# Altium PCB POWER_SUPPLY_60V_60A.PcbDoc (part 1 of 2)
Units mm, origin at the board's own origin, x right, y up, seen from the top; angles counter-clockwise.
Board outline 425 x 150.02 mm, 2 copper layers (Top Layer, Bottom Layer); 166 components, 67 nets, 401 pads, 307 vias.
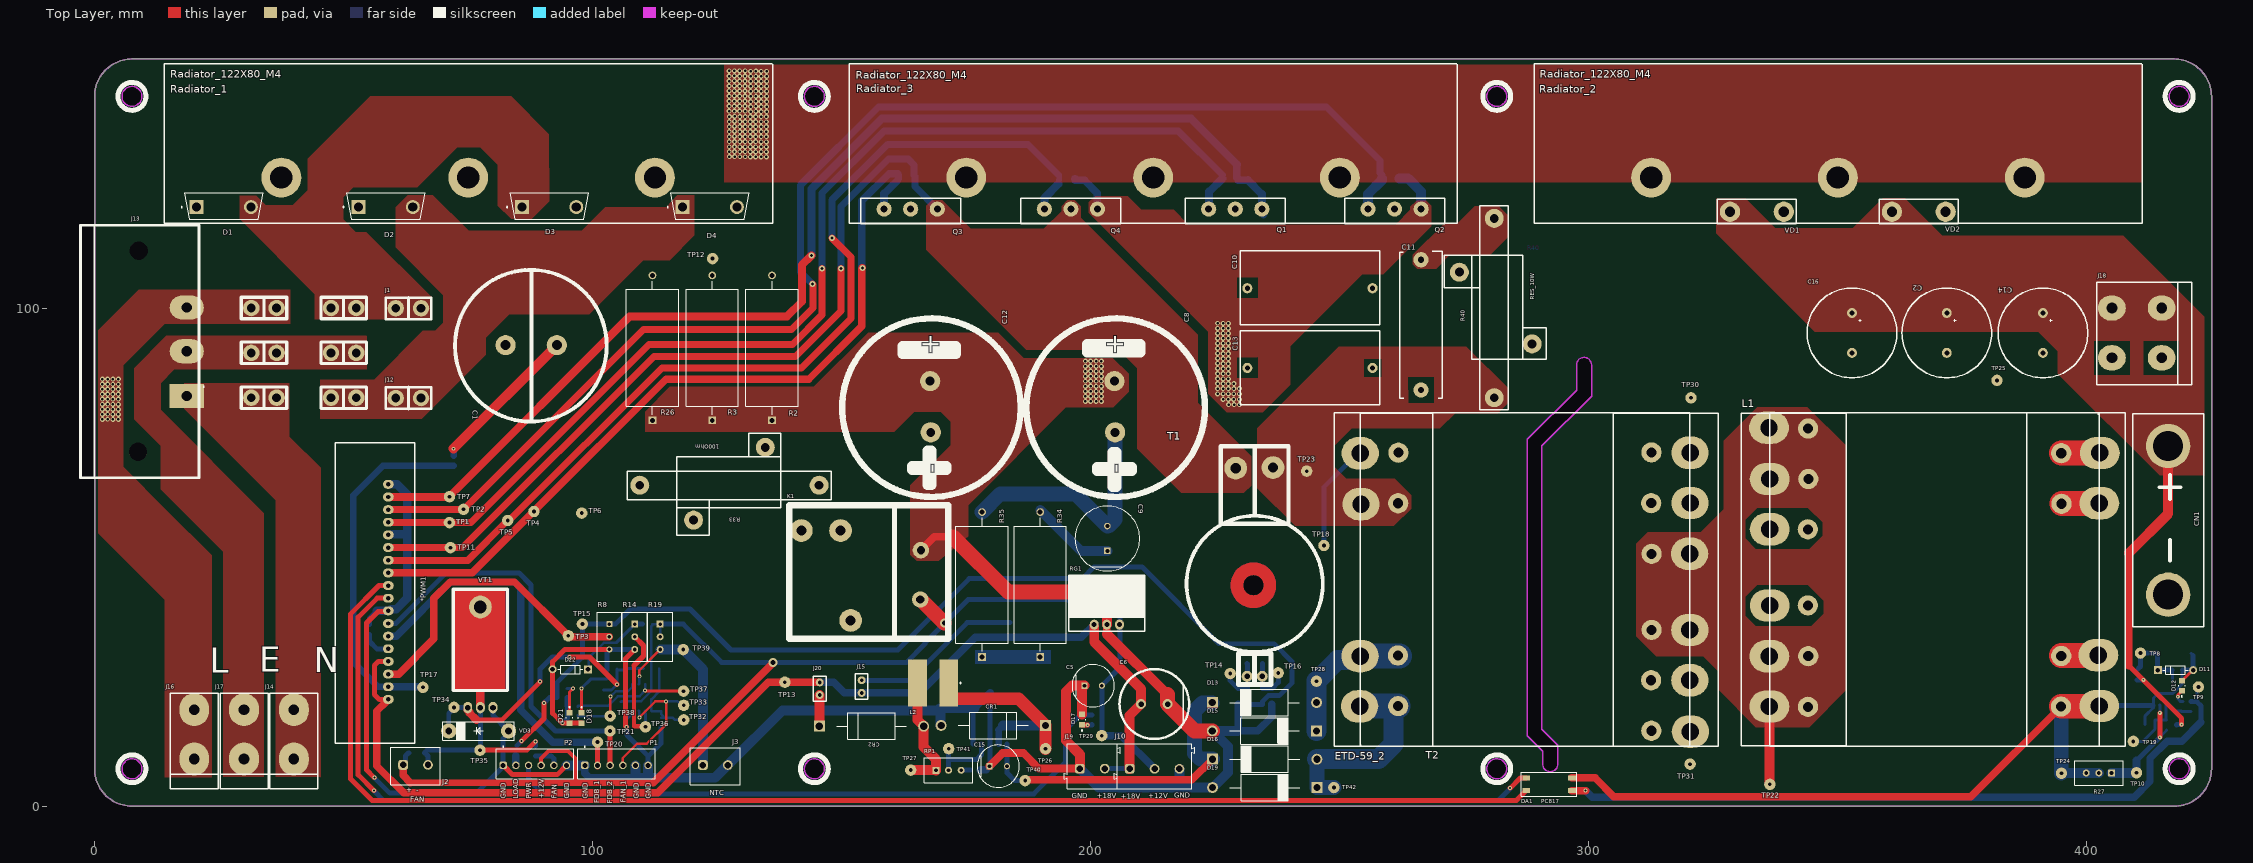
[diagram p0: Top Layer view]
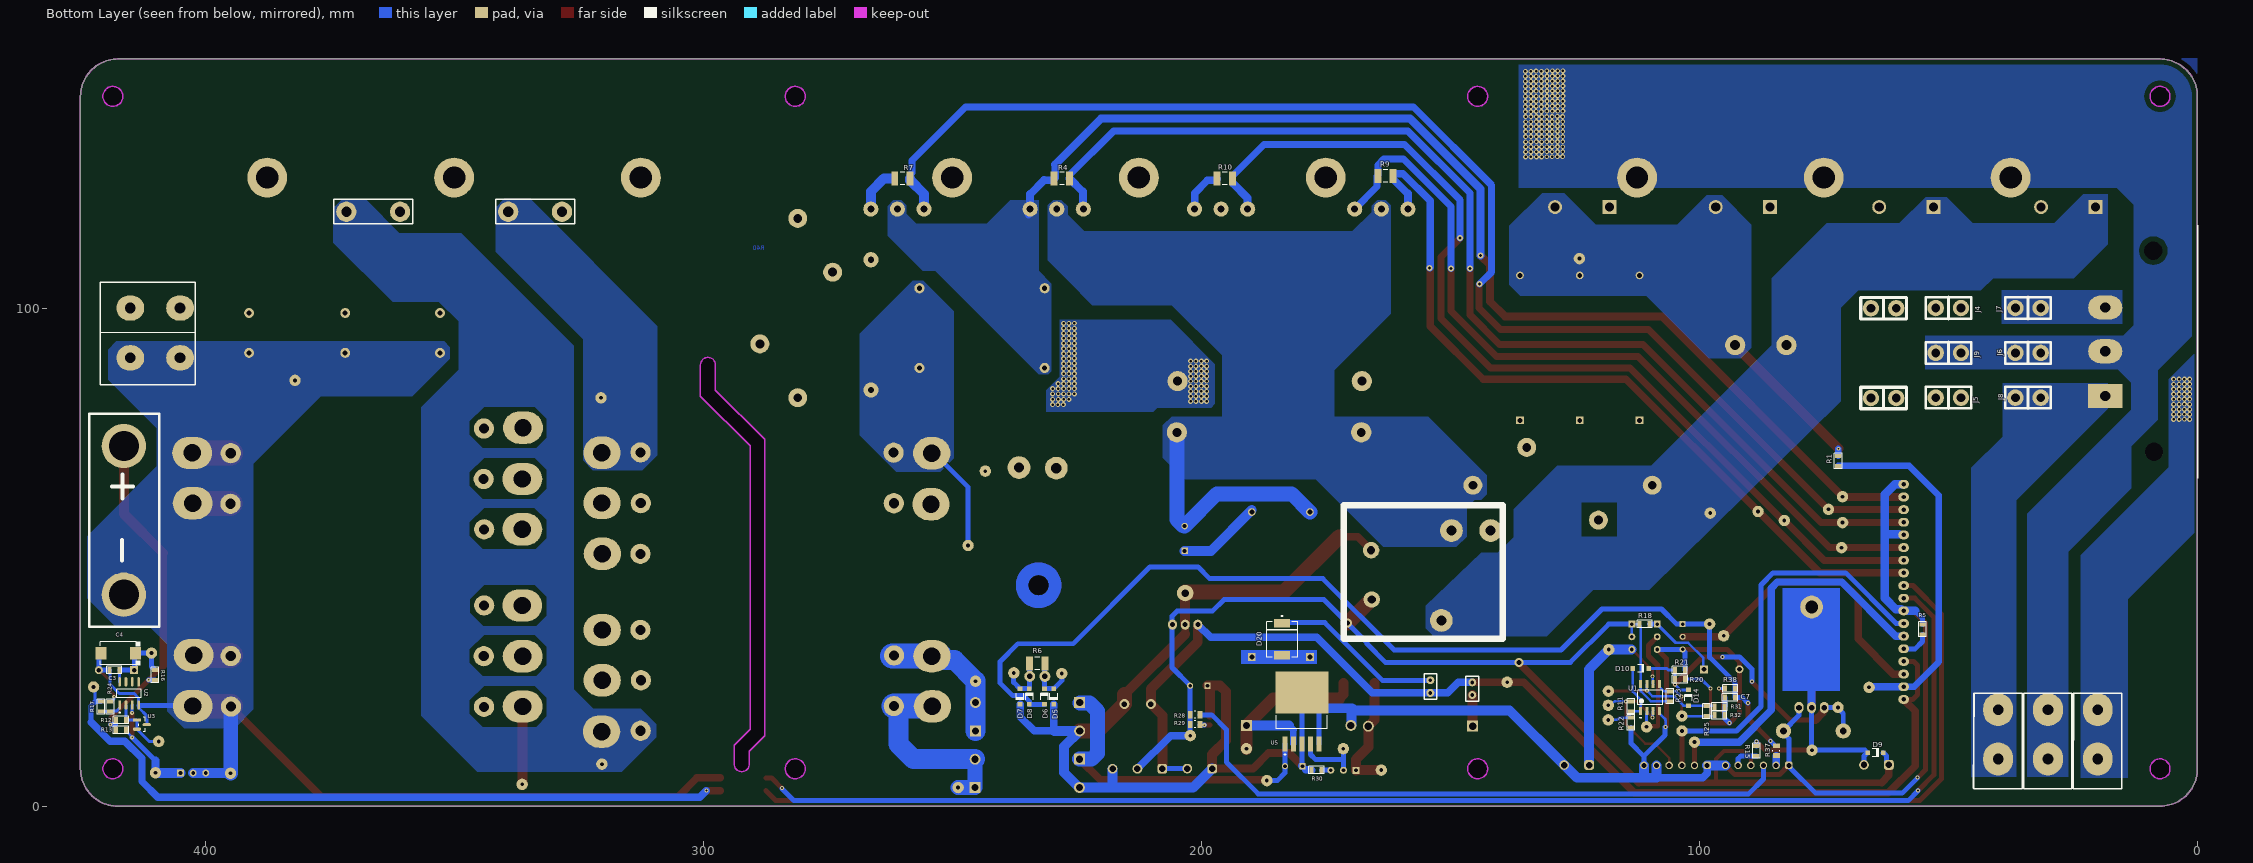
[diagram p1: Bottom Layer view, seen from below]
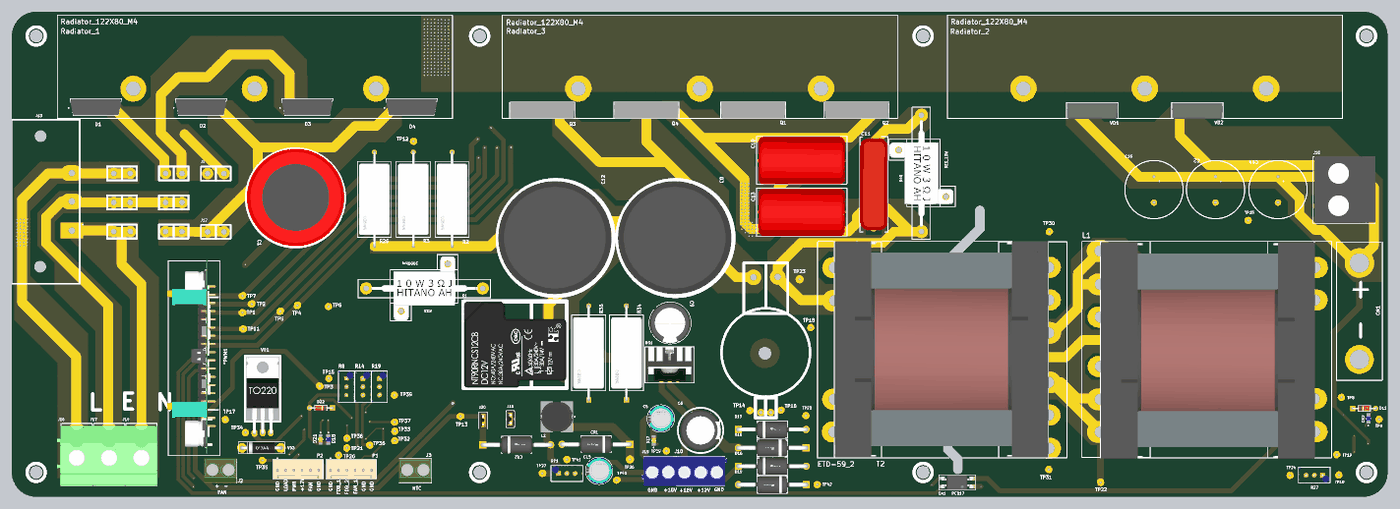
[diagram p3: 3D render of the assembled board from above, using the file's embedded part models]
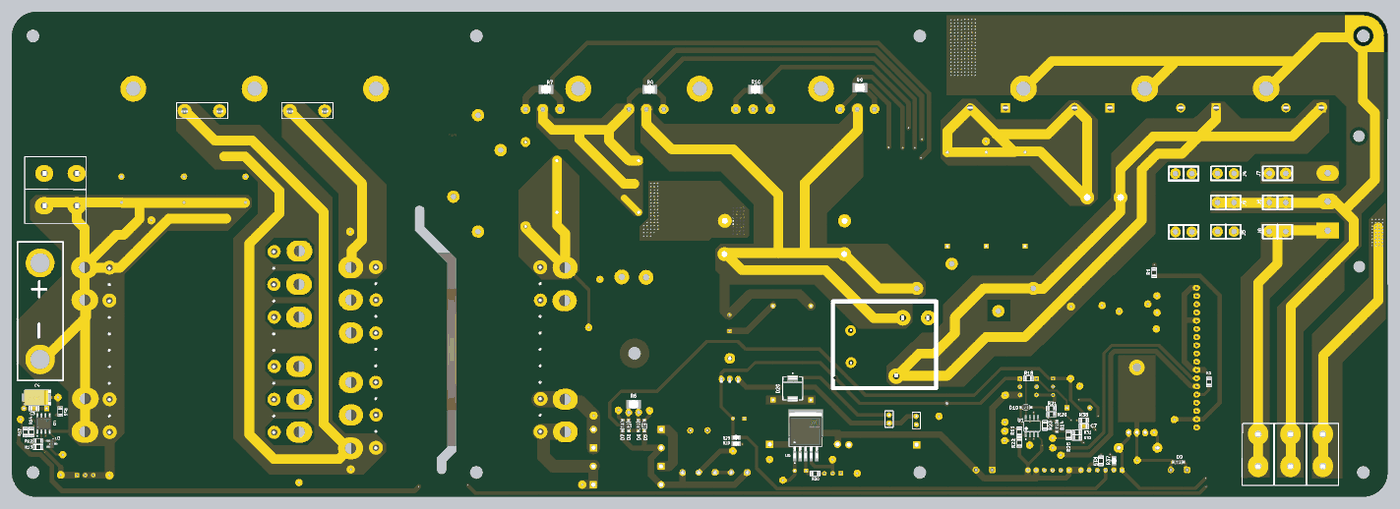
[diagram p4: 3D render of the assembled board from below, using the file's embedded part models]

## Layer stack, top to bottom
Top Solder: solder mask 0.0102, Solder Resist, Dk 3.5
Top Layer: signal copper 0.0356
Dielectric 1: dielectric 0.32, FR-4, Dk 4.8
Bottom Layer: signal copper 0.0356
Bottom Solder: solder mask 0.0102, Solder Resist, Dk 3.5

## Board outline
0,7.5 ccw(c7.5,7.5) 7.5,0 417.5,0 417.5,-0.02 ccw(c417.5,7.48) 425,7.48 425,142.5 ccw(c417.5,142.5) 417.5,150 7.5,150 ccw(c7.5,142.5) 0,142.5
cut-out: 290.75,8.425 290.75,11.025 287.675,14.1 287.675,73.693 297.525,83.543 297.525,88.575 cw(c299.025,88.575) 300.525,88.575 300.525,82.3 290.55,72.325 290.55,15.465 293.75,12.265 293.75,8.425 cw(c292.25,8.425)
cut-out: 416.5,7.5 ccw(c418.5,7.5) 418.5,5.5 ccw(c418.5,7.5) 420.5,7.5 ccw(c418.5,7.5) 418.5,9.5 ccw(c418.5,7.5)
cut-out: 416.5,142.5 ccw(c418.5,142.5) 418.5,140.5 ccw(c418.5,142.5) 420.5,142.5 ccw(c418.5,142.5) 418.5,144.5 ccw(c418.5,142.5)
cut-out: 5.5,7.5 ccw(c7.5,7.5) 7.5,5.5 ccw(c7.5,7.5) 9.5,7.5 ccw(c7.5,7.5) 7.5,9.5 ccw(c7.5,7.5)
cut-out: 7.5,140.5 cw(c7.5,142.5) 5.5,142.5 cw(c7.5,142.5) 7.5,144.5 cw(c7.5,142.5) 9.5,142.5 cw(c7.5,142.5)
cut-out: 279.5,142.5 ccw(c281.5,142.5) 281.5,140.5 ccw(c281.5,142.5) 283.5,142.5 ccw(c281.5,142.5) 281.5,144.5 ccw(c281.5,142.5)
cut-out: 142.5,142.5 ccw(c144.5,142.5) 144.5,140.5 ccw(c144.5,142.5) 146.5,142.5 ccw(c144.5,142.5) 144.5,144.5 ccw(c144.5,142.5)
cut-out: 279.5,7.5 ccw(c281.5,7.5) 281.5,5.5 ccw(c281.5,7.5) 283.5,7.5 ccw(c281.5,7.5) 281.5,9.5 ccw(c281.5,7.5)
cut-out: 142.5,7.5 ccw(c144.5,7.5) 144.5,5.5 ccw(c144.5,7.5) 146.5,7.5 ccw(c144.5,7.5) 144.5,9.5 ccw(c144.5,7.5)

## Design rules (kind name [scope] priority, off if disabled: settings)
Clearance GND [InNet('GND')] p1: gap=0.5 ignorepadtopadclearanceinfootprint=FALSE
Clearance PE [InNet('PE')] p2: gap=1 ignorepadtopadclearanceinfootprint=FALSE
Clearance Clearance_1 [All] p3: gap=0.254 ignorepadtopadclearanceinfootprint=FALSE
ComponentClearance [All] p1: gap=-10 collisioncheckmode=3 verticalgap=-10 showdistances=FALSE
Height [All] p1: minheight=0 maxheight=100 prefheight=100
HoleSize [All] p1: absolutevalues=TRUE maxlimit=7 minlimit=0.025 maxpercent=80.000 minpercent=20.000
PlaneClearance [InNet('PE')] p1: clearance=5
PlaneConnect [All] p1: planeconnectstyle=Direct reliefexpansion=0.508 reliefentries=4 reliefconductorwidth=0.254 reliefairgap=0.254
PolygonConnect [All] p1: connectstyle=Direct reliefconductorwidth=0.254 reliefentries=4 polygonreliefangle="90 Angle" airgapwidth=0.254
RoutingVias [All] p1: holewidth=0.4 width=0.8 viastyle="Through Hole" minholewidth=0.4 minwidth=0.8 maxholewidth=0.711 maxwidth=1.27
SilkToSilkClearance [All] p1: silktosilkclearance=0.001
SilkToSolderMaskClearance [IsPad] p1: minsilkscreentomaskgap=-0.2 clearancetoexposedcopper=TRUE
SolderMaskExpansion [All] p1: expansion=0.102 istentingtop=FALSE
Width [All] p1: maxlimit=10 minlimit=0.254 preferedwidth=1 minimp=50.000000 maximp=50.000000 favimp=50.000000
23 further rules are at their usual default settings.

## Components (designator, comment, footprint, x,y, rotation, side; value= is the part's Value field where it differs from the comment)
*PWM1 "PWM_controller" PWM_controller 108,50 r270 top locked
C1 "450V_330uF" CAP_450V_330uF 90,97 r270 top locked
C2 "CAP-POLAR" CAPPOL-18x40 371.85,95 r270 top locked
C3 "0.1uF" CAP-0805 418.2,27.3 r180 bottom
C4 "CAP-POLAR" CAP-TAN-D 417.425,30.675 r0 bottom
C5 "UKA1H101MPD1TD" FP-UKA1H101MPD1TD-MFG 200.475,24.175 r0 top
C6 "1000uF_50V" CAP_POL_13x26_1000uF_50V 212.75,20.5 r0 top
C7 "1uF" CAP-0805 93.825,21.8 r0 bottom
C8 "450V_330uF" CAP_450V_470uF 205,80 r90 top locked
C9 "ECA2WM100" FP-RAD-TH-D_12_5_0_5-L_20-MFG 203.325,53.725 r90 top locked
C10 "3.3uF_630V" CAP_4.7uF_630V 244,103.975 r180 top locked
C11 "1.5uF_630V" CAP_1.5uf_400V 262.5,97.5 r270 top locked
C12 "450V_330uF" CAP_450V_470uF 168,80 r90 top locked
C13 "3.3uF_630V" CAP_4.7uF_630V 244,87.975 r180 top locked
C14 "CAP-POLAR" CAPPOL-18x40 391.15,95 r270 top locked
C15 "UKA1H101MPD1TD" FP-UKA1H101MPD1TD-MFG 181.425,8.025 r0 top
C16 "CAP-POLAR" CAPPOL-18x40 352.825,95 r270 top locked
CN1 "BAT_CON" Batarey_connector 416.808,72.803 r270 top
CR1 "1N5822" FP-DO-201AD-MFG 180.425,16.2 r180 top
CR2 "1N5822" FP-DO-201AD-MFG 155.975,16.05 r0 top
D1 "VS-40EPS12-M3" FP-96144-MFG 25.932,120.5 r90 top locked
D2 "VS-40EPS12-M3" FP-96144-MFG 58.42,120.5 r90 top locked
D3 "VS-40EPS12-M3" FP-96144-MFG 91.25,120.5 r90 top locked
D4 "VS-40EPS12-M3" FP-96144-MFG 123.494,120.5 r90 top locked
D5 "1N4148W-7-F" DIOD-SOD123-2_V 229.6,22 r270 bottom
D6 "1N4148W-7-F" DIOD-SOD123-2_V 231.475,22 r90 bottom locked
D7 "1N4148W-7-F" DIOD-SOD123-2_V 236.375,22 r270 bottom
D8 "1N4148W-7-F" DIOD-SOD123-2_V 234.5,22 r90 bottom locked
D9 "" DIOD-SOD123-2_V 64.65,10.7 r180 bottom
D10 "" DIOD-SOD123-2_V 111.75,27.625 r180 bottom
D11 "BZX55B8V2" BZX55B8V2 417.775,27.3 r0 top
D12 "151031YS06000" LED_BLUE 419.069,24.169 r90 top
D13 "" SR5100(DO-201AD 234.87,20.8 r0 top
D14 "" DIOD-SOD123-2_V 102.15,21.75 r90 bottom
D15 "" SR5100(DO-201AD 234.87,15.1 r180 top
D16 "" SR5100(DO-201AD 234.925,9.425 r0 top
D17 "LED" LED_GREEN 198.275,17.35 r90 top
D18 "LED" LED_BLUE 97.746,17.698 r270 top
D19 "" SR5100(DO-201AD 234.92,3.725 r180 top
D20 "ES3D-E3/57T" DO214-AB 183.775,33.475 r270 bottom
D21 "151031YS06000" LED_GREEN 95.333,17.724 r270 top
D22 "BZX55B3V3" BZX55B8V2 95.5,27.475 r180 top
DA1 "PC817" 4-SMD 292,4.4 r180 top
J1 "" Klema_PCB_15A 63,99.95 r0 top locked
J2 "691137710002" 691137710002 64.435,8.025 r0 top locked
J3 "691137710002" 691137710002 124.625,8 r0 top
J4 "Klema_15_A" Klema_PCB_15A 50,100 r180 bottom locked
J5 "Klema_15_A" Klema_PCB_15A 50,82 r0 bottom locked
J6 "Klema_15_A" Klema_PCB_15A 34,91 r0 bottom locked
J7 "Klema_15_A" Klema_PCB_15A 34,100 r180 bottom locked
J8 "Klema_15_A" Klema_PCB_15A 34,82 r180 bottom locked
J9 "Klema_15_A" Klema_PCB_15A 50,91 r180 bottom locked
J10 "691101710003" 691101710003 212.8,8 r0 top locked
J12 "" Klema_PCB_15A 63,81.925 r180 top locked
J13 "L-PE-N" L-PE-N_Connector_C-14 2.5,91.2 r270 top locked
J14 "MG_136_HT" Conn_MEIGAN_MG136HT 40,12 r0 top
J15 "" Jumper_2.54 154,24 r90 top locked
J16 "MG_136_HT" Conn_MEIGAN_MG136HT 20,12 r0 top
J17 "MG_136_HT" Conn_MEIGAN_MG136HT 30,12 r0 top
J18 "TL-800" Conn_Tianli_T-800 410,95 r90 top locked
J19 "691101710002" 691101710002 200.3,8.025 r0 top
J20 "" Jumper_2.54 145.575,23.575 r90 top
K1 "T9AS1D12-48" NT90RNCS12CB 158.65,44.025 r90 top locked
L1 "750311457" Drossel 372,46.955 r270 top
L2 "22µH, 2.04A" WE-PD2_1054 168.35,24.725 r180 top
P1 "61900611121" 61900611121 104.771,8.5 r180 top locked
P2 "61900611121" 61900611121 88.388,8.5 r180 top locked
Q1 "IGW60T120" TO-264-3 229,120.5 r0 top locked
Q2 "IGW60T120" TO-264-3 261,120.5 r0 top locked
Q3 "IGW60T120" TO-264-3 163.845,120.5 r0 top locked
Q4 "IGW60T120" TO-264-3 196,120.5 r0 top locked
R1 "470 Ohm" RES-0805 72.1,69.3 r270 bottom
R2 "SQP500JB-1R2" FP-SQP500-MFG 136,92 r90 top locked
R3 "SQP500JB-1R2" FP-SQP500-MFG 124,92 r90 top
R4 "3.3K" RES_SMD_1210_IPC_A 227.975,126 r180 bottom
R5 "10k" RES-0805 55.2,35.5 r270 bottom
R6 "CRCW12100000Z0EA" FP-CRCW1210-e3-IPC_A 232.925,28.6 r180 bottom
R7 "RES_1210" RES_SMD_1210_IPC_A 259.975,126 r180 bottom locked
R8 "3296W-1-202LF" Bourns_3296W_MFG 103.35,34 r180 top locked
R9 "RES_1210" RES_SMD_1210_IPC_A 163,126.5 r180 bottom
R10 "RES_1210" RES_SMD_1210_IPC_A 195.275,126 r180 bottom
R11 "1M" RES-0805 113.75,20.05 r90 bottom
R12 "10K" RES-0805 416.875,17.275 r0 bottom
R13 "1K" RES-0805 416.875,15.325 r0 bottom
R14 "10K" RES_Adj_3296W_Bourns 108.439,34 r180 top locked
R15 "10K" RES-0805 88.55,11.1 r270 bottom
R16 "1K" RES-0805 410.025,26.325 r270 bottom
R17 "1K" RES-0805 420.875,19.975 r270 bottom
R18 "10K" RES-0805 110.975,36.525 r0 bottom
R19 "10K" RES_Adj_3296W_Bourns 113.55,34 r180 top locked
R20 "10K" RES-0805 103.875,25.475 r0 bottom
R21 "10K" RES-0805 103.9,27.3 r0 bottom
R22 "10K" RES-0805 113.725,16.775 r90 bottom
R23 "20K" RES-0805 105.875,22.05 r270 bottom
R24 "1K" RES-0805 419.025,19.975 r90 bottom
R25 "1M" RES-0805 98.525,19.075 r270 bottom
R26 "SQP500JB-1R2" FP-SQP500-MFG 112,92 r90 top
R27 "10K" RES_Adj_3296W_Bourns 402.385,6.65 r90 top
R28 "10K" FP-CRCW0805-e3-MFG 201.225,18.325 r0 bottom
R29 "10K" FP-CRCW0805-e3-MFG 201.225,16.4 r0 bottom
R30 "1K" RES-0805 176.85,7.225 r180 bottom
R31 "10K" RES-0805 95.95,19.95 r0 bottom
R32 "20K" RES-0805 95.975,18.25 r0 bottom
R33 "100Ohm" "10W 3 Ohm" 127.45,64.425 r180 top
R34 "SQP500JB-1R2" FP-SQP500-MFG 189.85,44.475 r90 top value=1.2Ω
R35 "SQP500JB-1R2" FP-SQP500-MFG 178.175,44.475 r90 top value=1.2Ω
R37 "10K" FP-CRCW0805-e3-MFG 84.525,11.125 r90 bottom
R38 "10K" RES-0805 93.8,23.625 r180 bottom
R40 "RES_10W" "10W 3 Ohm" 281,100 r90 top locked
Radiator_1 "Radiator_122X80_M4" Radiator_122X80_M4 75,133 r0 top locked
Radiator_2 "Radiator_122X80_M4" Radiator_122X80_M4 350,133 r0 top locked
Radiator_3 "Radiator_122X80_M4" Radiator_122X80_M4 212.5,133 r0 top locked
RG1 "LM7812CT" TO-220_Bended_Rad 203.725,39.475 r0 top locked
RP1 "10K" RES_Adj_3296W_Bourns 171.44,7.2 r270 top
T1 "Current_SENS" Current_Sens_Case 232.65,44.35 r0 top
T2 "ETD-59_2" Transformer_ETD59_2 288,44.55 r90 top locked
TP1 "Test_Point_PCB" Test_Point#1 71.225,56.918 r270 top
TP2 "Test_Point_PCB" Test_Point#1 74.069,59.585 r270 top
TP3 "Test_Point_PCB" Test_Point#1 95.1,34.2 r0 top
TP4 "Test_Point_PCB" Test_Point#1 88.2,59.15 r270 top
TP5 "Test_Point_PCB" Test_Point#1 82.925,57.35 r270 top
TP6 "Test_Point_PCB" Test_Point#1 97.8,58.825 r0 top
TP7 "Test_Point_PCB" Test_Point#1 71.25,62.125 r0 top
TP8 "Test_Point_PCB" Test_Point#1 410.75,30.725 r270 top
TP9 "Test_Point_PCB" Test_Point#1 422.375,23.925 r270 top
TP10 "Test_Point_PCB" Test_Point#1 409.95,6.7 r90 top
TP11 "Test_Point_PCB" Test_Point#1 71.428,51.889 r90 top
TP12 "Test_Point_PCB" Test_Point#1 124.075,109.925 r90 top
TP13 "Test_Point_PCB" Test_Point#1 138.575,24.875 r90 top
TP14 "Test_Point_PCB" Test_Point#1 227.994,26.612 r90 top
TP15 "Test_Point_PCB" Test_Point#1 97.925,36.55 r90 top
TP16 "Test_Point_PCB" Test_Point#1 237.625,26.75 r90 top
TP17 "Test_Point_PCB" Test_Point#1 65.9,23.85 r90 top
TP18 "Test_Point_PCB" Test_Point#1 246.8,52.325 r90 top
TP19 "Test_Point_PCB" Test_Point#1 409.3,13 r0 top
TP20 "Test_Point_PCB" Test_Point#1 100.975,12.85 r90 top
TP21 "Test_Point_PCB" Test_Point#1 103.475,15.1 r90 top
TP22 "Test_Point_PCB" Test_Point#1 336.325,4.375 r90 top
TP23 "Test_Point_PCB" Test_Point#1 243.35,67.25 r90 top
TP24 "Test_Point_PCB" Test_Point#1 394.875,6.6 r90 top
TP25 "Test_Point_PCB" Test_Point#1 381.925,85.475 r90 top
TP26 "Test_Point_PCB" Test_Point#1 190.925,11.525 r90 top
TP27 "Test_Point_PCB" Test_Point#1 163.85,7.225 r90 top
TP28 "Test_Point_PCB" Test_Point#1 245.3,25.075 r90 top
TP29 "Test_Point_PCB" Test_Point#1 202.2,14.15 r90 top
TP30 "Test_Point_PCB" Test_Point#2 320.5,80.85 r90 top
TP31 "Test_Point_PCB" Test_Point#3 320.325,7.875 r90 top
TP32 "Test_Point_PCB" Test_Point#1 118.28,17.318 r90 top
TP33 "Test_Point_PCB" Test_Point#1 118.275,20.25 r90 top
TP34 "Test_Point_PCB" Test_Point#1 72.15,19.825 r90 top
TP35 "Test_Point_PCB" Test_Point#1 77.375,11.225 r90 top
TP36 "Test_Point_PCB" Test_Point#1 110.575,15.925 r90 top
TP37 "Test_Point_PCB" Test_Point#1 118.254,23.084 r90 top
TP38 "Test_Point_PCB" Test_Point#1 103.5,18.075 r90 top
TP39 "Test_Point_PCB" Test_Point#1 118.175,31.425 r90 top
TP40 "Test_Point_PCB" Test_Point#1 186.825,5.125 r90 top
TP41 "Test_Point_PCB" Test_Point#1 171.475,11.525 r90 top
TP42 "Test_Point_PCB" Test_Point#1 248.8,3.725 r90 top
U1 "LM358DR" FP-D0008A-MFG 109.887,21.813 r90 bottom
U2 "LM358DR2G" FP-751-07-IPC_C 415.239,22.636 r90 bottom
U3 "" TL431_SOT-23-3(A) 412.673,16.36 r180 bottom
U5 "" ON_Semiconductor_936A-02_MFG 179.775,18.977 r180 bottom
VD1 "MUR4060" TO-247-2 323,122 r0 top locked
VD2 "MUR4060" TO-247-2 355.5,121.992 r0 top locked
VD3 "ZENER" DO-017AA 77.1,15.1 r0 top
VT1 "IRFR3205" TO-220(bend2) 77.196,30.958 r0 top
